# Altium PCB LimeSDR-XTRX_1v0.PcbDoc (part 8 of 8)
Units mm, origin at the board's own origin, x right, y up, seen from the top; angles counter-clockwise.
Board outline 50.8 x 29.7 mm, 8 copper layers (Top, L2, L3, L4, L5, L6, L7, Bottom), stack 0.925 mm thick; 538 components, 380 nets, 2137 pads, 896 vias.
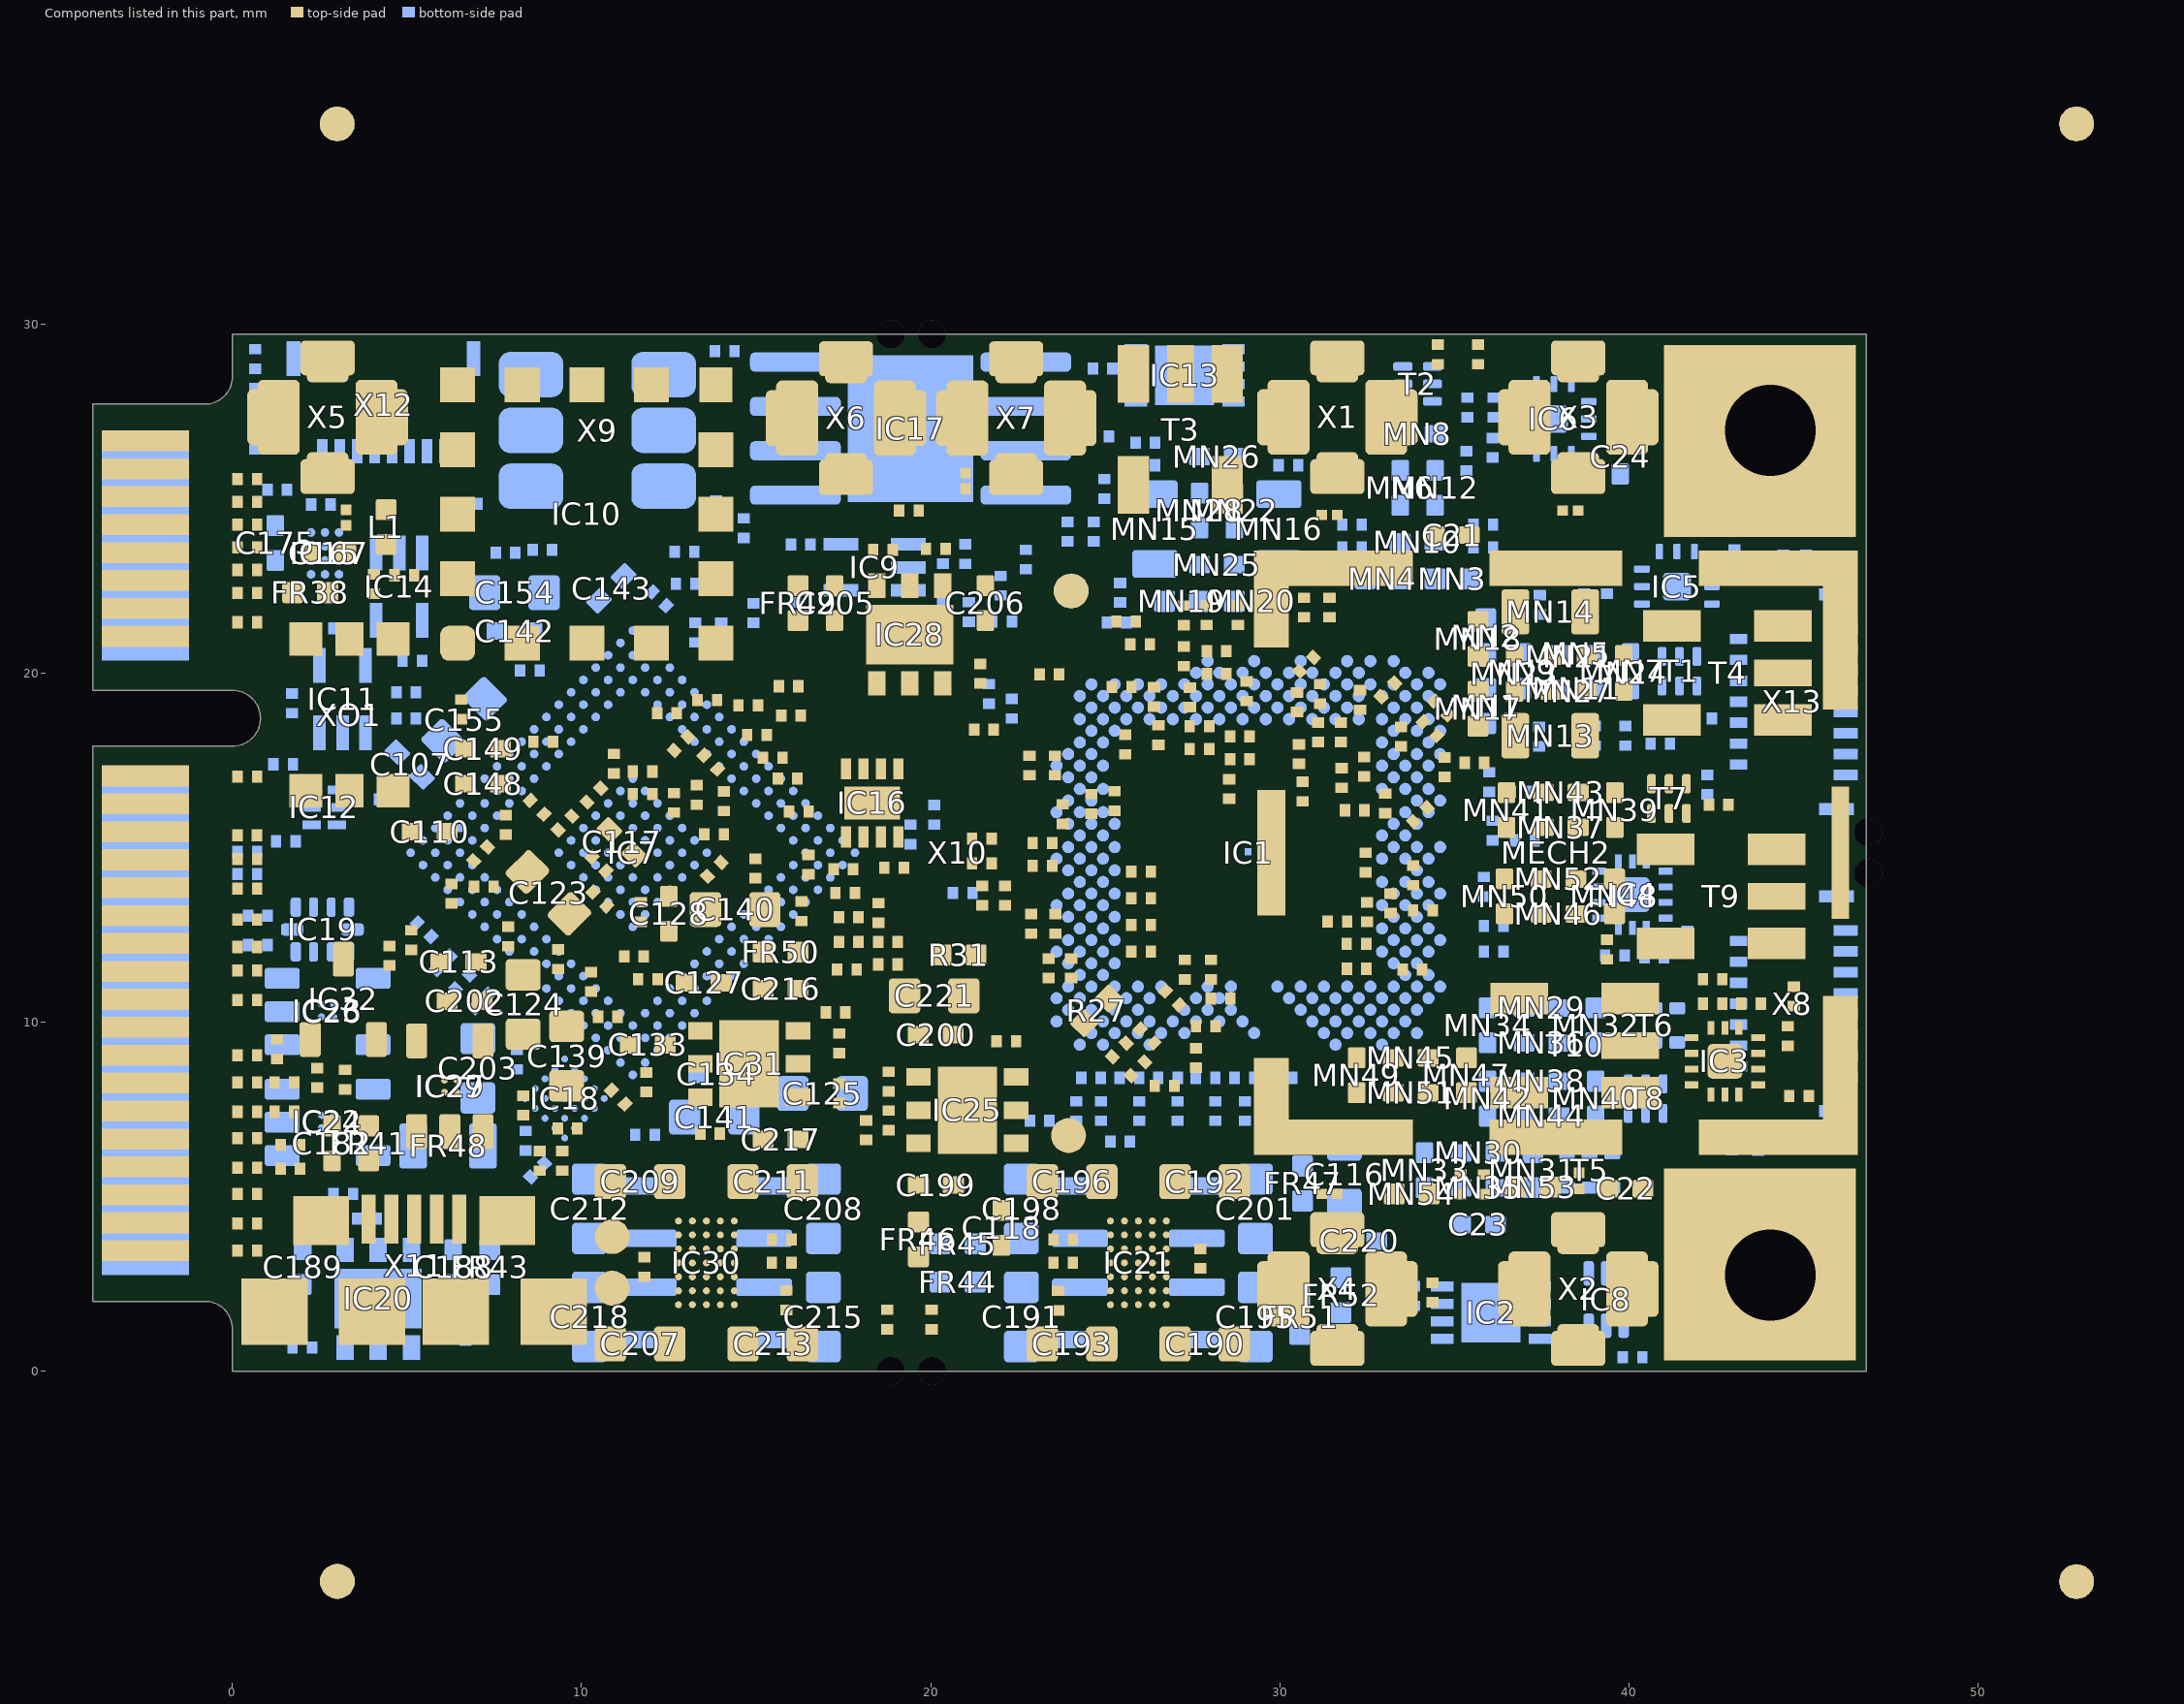
[diagram p14: the components of this part, seen from the top]

## Silkscreen, mask and mechanical layers (free items; w line width, h text height) (continued)
Notes:
  region: -4,19.5 -3.75,19.5 -3.75,27.7 -4,27.7
  region: -4,2 -3.75,2 -3.75,17.9 -4,17.9
  lines w0.15: -3.75,27.7 -4,27.7 ; -4,27.7 -0.8,27.7 ccw(c-0.8,28.5) 0,28.5 0,29.7 17.951,29.7 17.951,32.725 0,32.725 0,42.88 59.975,42.88 59.975,-13.18 0,-13.18 0,-3.025 17.951,-3.025 17.951,0 0,0 0,1.2 ccw(c-0.8,1.2) -0.8,2 -4,2 -4,17.9 0,17.9 ccw(c0,18.7) 0,19.5 -4,19.5 -4,27.7 ; 20.949,-3.025 49.825,-3.025 49.825,13.351 46.8,13.351 46.8,0 20.949,0 20.949,-3.025 ; 20.949,29.7 46.8,29.7 46.8,16.349 49.825,16.349 49.825,32.725 20.949,32.725 20.949,29.7
ASM BOT:
  region: -4,2 -3.75,2 -3.75,17.9 -4,17.9
  region: -4,19.5 -3.75,19.5 -3.75,27.7 -4,27.7
  lines w0.1: 0,27.413 0.65,27.875 ; 4.975,19.45 5.7,19.45 ; 5,18.65 6.95,17.275 ; 5.075,21.025 5.15,20.35 ; 5.95,24.9 6.745,24.845 ; 7.55,23.9 7.845,23.445 ; 7.8,5.275 8.425,6.6 ; 12.225,22.125 12.3,21.175 ; 13.975,19.6 14,21.155 ; 20.95,24.675 20.975,23.4 ; 22.575,24.725 23.95,24.05 ; 23.4,25.021 24.675,24.05 ; 24.075,25.625 24.975,25.275
  lines w0.15: -3.75,27.7 -4,27.7 ; 46.8,13.351 46.8,0 0,0 0,1.2 ccw(c-0.8,1.2) -0.8,2 -4,2 -4,17.9 0,17.9 ccw(c0,18.7) 0,19.5 -4,19.5 -4,27.7 ; 46.8,16.349 46.8,29.7 0,29.7 0,28.5 cw(c-0.8,28.5) -0.8,27.7 -4,27.7
  text "Assembly bottom" at 32.25,30.75 h1.25
ASM TOP:
  lines w0.1: 2.425,8.4 2.6,9.2 ; 3.225,8.35 3.5,9.225 ; 4.075,22.55 5.425,21.975 ; 4.575,14.65 7,14.625 ; 4.825,17.15 7.825,15.65 ; 7.2,13.875 7.325,13.55 ; 7.475,12.625 7.9,12.45 ; 9.275,12.7 9.325,11.8 ; 11.7,18.375 12.85,17.95 ; 16.175,9.875 17.3,10.275 ; 16.425,8.825 17.4,9.39 ; 16.5,14.525 17.325,15.375 ; 18.5,13.075 19.25,13.4 ; 18.775,8.3 19.575,8.125 ; 18.775,12.2 19.125,12.725 ; 18.8,11.65 21.875,10.675 ; 18.95,14.425 19.719,14.85 ; 24.675,19.225 25.472,19.595 ; 26.25,19.975 26.422,19.24 ; 26.525,18.2 26.636,17.423 ; 27.2,17.05 27.7,18.475 ; 27.725,17.825 27.85,17.25 ; 28.88,17.528 29.574,16.824 ; 28.88,18.18 29.625,18.325 ; 29.975,15.8 30.55,17.675 ; 29.975,19.45 30.495,19.161 ; 31.125,15.85 31.125,18.3 ; 31.607,15.525 32.147,16.065 ; 31.95,13.5 32.5,13.15 ; 32.45,14.55 32.925,14.6 ; 32.975,20.2 33.122,19.515 ; 33.175,13.425 33.4,12.7 ; 33.5,18.175 33.525,17.4 ; 33.8,14.2 34.275,14.125 ; 34.725,17.3 35.125,15.725 ; 35.575,16.9 35.6,17.425 ; 38.575,5.45 38.575,6.5
  lines w0.15: -4,2 -4,17.9 0,17.9 ccw(c0,18.7) 0,19.5 -4,19.5 -4,27.7 -0.8,27.7 ccw(c-0.8,28.5) 0,28.5 0,29.7 46.8,29.7 46.8,0 0,0 0,1.2 ccw(c-0.8,1.2) -0.8,2 -4,2
  text "Assembly top" at 16.225,30.85 h1.25

## Dimensions
-4,-16.454 to 59.975,-13.18 on Mechanical1
44.05,2.75 to 41.825,5.25 on Mechanical1
44.05,26.95 to 44.05,2.75 on Mechanical1
46.8,0 to 46.8,29.7 on Mechanical1
-4,2 to 46.8,0 on Mechanical1
59.975,42.88 to 59.975,-13.18 on Mechanical1
-3.75,27.7 to -4,27.7 on Mechanical1

## Text inside footprints (layer, text, board x,y; h text height)
IC1: ASM BOT "1) paste/pad ratio ~60% / 2) 4 thermal pad vias  / without metal cap / 3) all other thermal pad  / vias with metal cap" at 33.39,16.375 h0.4; ASM BOT "Pad size = 0.35mm / Pad paste mask = 0.35mm / No AM2 pad" at 34.865,10.6 h0.4; ASM BOT "Footprint revision: r5" at 31.725,9.45 h0.4; Mechanical7 "0.2mm/0.5mm hole/ring vias under   / pad to be left open (no metal cap)" at 35.865,8.05 h0.35
IC7: ASM BOT "A1" at 5.136,14.108 h0.4 r315; ASM BOT "A19" at 11.359,7.885 h0.4 r315; ASM BOT "W19" at 17.864,14.532 h0.4 r315; ASM BOT "W1" at 11.642,20.755 h0.4 r315
MECH1: ASM TOP "Shield Cover" at 40.625,23.825 h0.4
MECH2: ASM TOP "Shield Frame" at 42.05,5.5 h0.4
T3: Mechanical13 "Pri*" at 25.45,23.975 h0.2; Mechanical13 "Pri" at 28.25,23.975 h0.2; Mechanical13 "Sec*" at 25.45,29.775 h0.2; Mechanical13 "Sec" at 28.15,29.775 h0.2; Mechanical13 "NC" at 26.95,29.775 h0.2
T4: Mechanical13 "NC" at 45.625,20.2 h0.2 r270; Mechanical13 "Sec" at 45.625,19 h0.2 r270; Mechanical13 "Sec*" at 45.625,21.7 h0.2 r270; Mechanical13 "Pri" at 39.825,18.9 h0.2 r270; Mechanical13 "Pri*" at 39.825,21.7 h0.2 r270
T9: Mechanical13 "Pri*" at 39.638,15.3 h0.2 r270; Mechanical13 "Pri" at 39.638,12.5 h0.2 r270; Mechanical13 "Sec*" at 45.438,15.3 h0.2 r270; Mechanical13 "Sec" at 45.438,12.6 h0.2 r270; Mechanical13 "NC" at 45.438,13.8 h0.2 r270
T10: Mechanical13 "NC" at 41.25,9.525 h0.2 r270; Mechanical13 "Sec" at 41.25,8.325 h0.2 r270; Mechanical13 "Sec*" at 41.25,11.025 h0.2 r270; Mechanical13 "Pri" at 35.45,8.225 h0.2 r270; Mechanical13 "Pri*" at 35.45,11.025 h0.2 r270
X1: ASM TOP "in" at 31.35,26.2 h0.4
X2: ASM TOP "in" at 38.05,3.775 h0.4
X3: ASM TOP "in" at 38.25,26.2 h0.4
X4: ASM TOP "in" at 31.15,3.775 h0.4
X5: ASM TOP "in" at 2.475,25.75 h0.55
X6: ASM TOP "in" at 17.275,26.175 h0.4
X7: ASM TOP "in" at 22.15,26.175 h0.4
X8: ASM BOT "Connector input" at 46.175,7.725 h0.4 r270
X11: ASM TOP "PCB edge" at 3.8,1.625 h0.4; Mechanical13 "1" at 3.9,3.85 h0.5; Mechanical13 "5" at 6.3,3.95 h0.5; Mechanical13 "PCB Edge" at -0.05,0.3 h0.25
X13: ASM BOT "Connector input" at 46.175,16.425 h0.4 r270